# Allegro board SG2042_EVB_V1_1.brd (continued)
## Routing (per net, layer and track width the routed paths; a pad name or vN(x,y) marks a point on that pad's centre or on a via; arc(x,y) is an arc through that point) (continued)
PCIE0_L0_WAKEUP_X_H: length 242.1
  TOP w0.102: v1(288.29,42.98) R2411.1 R2402.1 286.74,42.9 J2018.B11 ; v1(211.56,221.46) 209.83,219.74 R1334.2
  ART03 w0.102: v1(246.28,222.43) 245.29,221.44 243.42,221.44 242.2,222.66 212.75,222.66 v1(211.56,221.46)
  ART10 w0.102: v1(288.29,42.98) 289.23,43.92 289.23,114.64 271.91,131.96 271.91,164.49 254.43,181.97 252.8,181.97 249.25,185.51 249.25,198.61 245.67,202.2 245.67,212.01 246.28,212.62 v1(246.28,222.43)
PCIE0_L1_CLKREQ_IN_X: length 123.1
  TOP w0.089: U1.D32 140.87,131.25 140.87,133.85 140.81,133.91
  TOP w0.102: v1(197.71,190.25) 197.61,190.25 197.05,190.8 196.22,190.8 195.29,189.88 195.29,187.71 181.31,173.74 169.06,173.74 164.59,169.27 164.59,164.46 140.81,140.68 140.81,133.91 ; U814.6 199.64,218.11 v1(198.99,217.46)
  ART10 w0.102: v1(197.71,190.25) 197.26,190.7 197.26,196.6 199.44,198.78 199.44,217.02 v1(198.99,217.46)
PCIE0_L1_CLKREQ_IN_X_H: length 217.1
  TOP w0.102: R1335.2 v1(209.83,218.01) ; J2019.B12 246.1,45.9 R2404.1 R2413.1 v1(247.65,45.82)
  ART03 w0.102: v1(209.83,218.01) 210.21,217.63 212.39,217.63 213.46,218.69 243.03,218.69 v1(243.59,219.25)
  ART10 w0.102: v1(247.65,45.82) 250.85,49.02 250.85,118.54 244.25,125.15 244.25,215.35 243.18,216.42 243.18,218.85 v1(243.59,219.25)
PCIE0_L1_RESET_X: length 382.2
  TOP w0.089: U1.C33 142.47,132.08 141.87,132.68 141.87,133.85 141.81,133.91
  TOP w0.102: v1(198.13,221.37) 198.13,219.6 198.96,218.77 U814.5 ; v1(195.88,189.38) 196.27,189 196.27,187.83 181.57,173.13 169.32,173.13 165.2,169.02 165.2,164.21 141.81,140.82 141.81,133.91 ; R2280.2 v1(17.09,137.34)
  ART10 w0.102: v1(17.09,137.34) 17.68,137.92 17.68,153.11 17.96,153.39 17.96,175.02 18.08,175.14 18.08,178.34 28.01,188.27 28.84,188.27 37.87,197.3 37.87,210.45 38.46,211.03 v1(38.46,211.86) ; v1(198.13,221.37) 197.94,221.18 197.94,198.43 195.88,196.38 v1(195.88,189.38)
  BOTTOM w0.102: v1(198.13,221.37) 197.73,221.77 175.4,221.77 167.94,214.3 106.74,214.3 105.24,212.8 48.61,212.8 46.7,214.71 42.99,214.71 40.14,211.86 v1(38.46,211.86)
PCIE0_L1_RESET_X_H: length 231.4
  TOP w0.102: R1312.2 209.83,218.87 v1(210.69,218.01) ; v1(233.53,43.1) R2412.1 R2403.1 234.77,43.71 235.59,42.9 J2019.A11
  ART03 w0.102: v1(210.69,218.01) 210.85,217.86 212.32,217.86 213.36,218.9 242.62,218.9 v1(242.98,219.25)
  ART10 w0.102: v1(233.53,43.1) 234.52,43.1 236.92,45.5 246.32,45.5 250.65,49.83 250.65,118.46 244.04,125.06 244.04,215.26 242.98,216.33 v1(242.98,219.25)
PCIE0_L1_WAKEUP_X: length 335.6
  TOP w0.102: U1.F30 v1(139.97,129.15) ; T33.1 15.64,192.31 U2011.5 v1(15.64,189.6)
  ART03 w0.102: v1(200.25,222.43) 199.62,223.06 175.84,223.06 168.42,215.65 114.75,215.65 113.43,216.97 105.22,216.97 103.9,215.65 88.5,215.65 87.94,216.2 80.38,216.2 79.77,215.6 41.3,215.6 37.97,212.27 v1(36.86,212.27)
  ART10 w0.102: v1(200.25,222.43) 200.3,222.38 200.3,199.36 198.2,197.25 198.2,187.35 v1(194.67,183.82) ; v1(15.64,189.6) 16.04,189.2 20.68,189.2 21.72,190.25 29.09,190.25 36.65,197.81 36.65,211.53 36.86,211.73 v1(36.86,212.27)
  BOTTOM w0.102: v1(194.67,183.82) 189.82,183.82 173.97,167.97 171.15,167.97 140.74,137.56 140.74,129.92 v1(139.97,129.15)
PCIE0_L1_WAKEUP_X_H: length 444.2
  TOP w0.102: J2019.B11 246.1,42.9 R2405.1 R2414.1 v1(247.65,42.98) ; R2399.2 v1(15.75,181.99)
  ART03 w0.102: v1(243.84,222.43) 242.8,223.47 175.67,223.47 168.25,216.05 114.92,216.05 113.6,217.37 105.05,217.37 103.73,216.05 88.67,216.05 88.11,216.61 80.21,216.61 79.6,216 41.13,216 38.21,213.08 v1(37.67,213.08)
  ART10 w0.102: v1(243.84,222.43) 244.07,222.2 244.07,215.87 244.45,215.49 244.45,125.23 251.05,118.63 251.05,46.38 v1(247.65,42.98) ; v1(15.75,181.99) 22.33,188.57 23.52,188.57 24.79,189.84 29.26,189.84 37.06,197.64 37.06,211.36 37.67,211.97 v1(37.67,213.08)
PCIE0_REXT: length 43.4
  TOP w0.102: U1.J29 v1(138.97,126.15)
  BOTTOM w0.102: 158.17,160.91 158.17,155.99 139.59,137.42 139.59,126.77 v1(138.97,126.15)
PCIE0_RXM[0]: length 189.6
  TOP w0.381: v1(275.97,50.7) 276.16,50.9 J2018.A17
  ART10 w0.112: v1(138.47,79.65) 139.07,79.05 139.07,76.75 139.14,76.67 139.14,76.65
  ART10 w0.147: v1(275.97,50.7) 275.83,50.57 274.31,50.57 274,50.26 arc(273.83,50.19) 273.67,50.26 arc(273.51,50.33) 273.34,50.26 273.25,50.17 arc(273.19,50.01) 273.25,49.84 arc(273.32,49.68) 273.25,49.52 270.39,46.65 270.39,43.24 247.99,20.84 177.83,20.84 168.55,30.12 168.55,32.25 140.91,59.89 140.91,60.97 139.14,62.74 139.14,76.65
PCIE0_RXM[1]: length 193.1
  TOP w0.381: J2018.A22 276.16,55.9 v1(275.97,55.7)
  ART10 w0.112: v1(139.47,81.65) 140.07,81.05 140.07,76.75 140.14,76.67 140.14,76.65
  ART10 w0.147: 140.14,76.65 140.14,63.47 142.13,61.48 142.13,60.4 169.78,32.75 169.78,30.62 178.34,22.06 247.48,22.06 269.16,43.74 269.16,50.42 273.25,54.52 arc(273.32,54.68) 273.25,54.84 arc(273.19,55.01) 273.25,55.17 273.34,55.26 arc(273.51,55.33) 273.67,55.26 arc(273.83,55.19) 274,55.26 274.31,55.57 275.83,55.57 v1(275.97,55.7)
PCIE0_RXM[2]: length 191.7
  TOP w0.381: v1(275.97,59.7) 276.16,59.9 J2018.A26
  ART10 w0.112: v1(140.47,79.65) 141.07,79.05 141.07,76.75 141.14,76.67 141.14,76.65
  ART10 w0.147: 141.14,76.65 141.14,64.21 143.36,61.99 143.36,60.91 171.01,33.26 171.01,31.13 178.85,23.29 246.97,23.29 267.93,44.25 267.93,53.2 273.25,58.52 arc(273.32,58.68) 273.25,58.84 arc(273.19,59.01) 273.25,59.17 273.34,59.26 arc(273.51,59.33) 273.67,59.26 arc(273.83,59.19) 274,59.26 274.31,59.57 275.83,59.57 v1(275.97,59.7)
PCIE0_RXM[3]: length 194.2
  TOP w0.381: J2018.A30 276.16,63.9 v1(275.97,63.7)
  ART10 w0.112: 142.14,76.65 142.14,76.67 142.07,76.75 142.07,81.05 v1(141.47,81.65)
  ART10 w0.147: v1(275.97,63.7) 275.83,63.57 274.31,63.57 274,63.26 arc(273.83,63.19) 273.67,63.26 arc(273.51,63.33) 273.34,63.26 273.25,63.17 arc(273.19,63.01) 273.25,62.84 arc(273.32,62.68) 273.25,62.52 266.71,55.97 266.71,44.76 246.46,24.52 179.35,24.52 172.23,31.64 172.23,33.77 144.59,61.42 144.59,62.5 142.14,64.94 142.14,76.65
PCIE0_RXM[4]: length 194.1
  TOP w0.381: v1(275.97,69.7) 276.16,69.9 J2018.A36
  ART10 w0.112: 143.14,76.65 143.14,76.67 143.07,76.75 143.07,79.05 v1(142.47,79.65)
  ART10 w0.147: 143.14,76.65 143.14,65.68 145.81,63.01 145.81,61.93 173.46,34.28 173.46,32.15 179.86,25.75 244.91,25.75 265.48,46.31 265.48,60.74 273.25,68.52 arc(273.32,68.68) 273.25,68.84 arc(273.19,69.01) 273.25,69.17 273.34,69.26 arc(273.51,69.33) 273.67,69.26 arc(273.83,69.19) 274,69.26 274.31,69.57 275.83,69.57 v1(275.97,69.7)
PCIE0_RXM[5]: length 196.7
  TOP w0.381: v1(275.97,73.7) 276.16,73.9 J2018.A40
  ART10 w0.112: 144.14,76.65 144.14,76.67 144.07,76.75 144.07,81.05 v1(143.47,81.65)
  ART10 w0.147: 144.14,76.65 144.14,66.41 147.04,63.52 147.04,62.43 174.69,34.79 174.69,32.66 180.37,26.97 244.4,26.97 264.25,46.82 264.25,63.51 273.25,72.52 arc(273.32,72.68) 273.25,72.84 arc(273.19,73.01) 273.25,73.17 273.34,73.26 arc(273.51,73.33) 273.67,73.26 arc(273.83,73.19) 274,73.26 274.31,73.57 275.83,73.57 v1(275.97,73.7)
PCIE0_RXM[6]: length 195.2
  TOP w0.381: v1(275.97,77.7) 276.16,77.9 J2018.A44
  ART10 w0.112: 145.14,76.65 145.14,76.67 145.07,76.75 145.07,79.05 v1(144.47,79.65)
  ART10 w0.147: v1(275.97,77.7) 275.83,77.57 274.31,77.57 274,77.26 arc(273.83,77.19) 273.67,77.26 arc(273.51,77.33) 273.34,77.26 273.25,77.17 arc(273.19,77.01) 273.25,76.84 arc(273.32,76.68) 273.25,76.52 263.02,66.29 263.02,47.33 243.9,28.2 180.88,28.2 175.91,33.17 175.91,35.3 148.27,62.94 148.27,64.03 145.14,67.15 145.14,76.65
PCIE0_RXM[7]: length 197.7
  TOP w0.381: J2018.A48 276.16,81.9 v1(275.97,81.7)
  ART10 w0.112: 146.14,76.65 146.14,76.67 146.07,76.75 146.07,81.05 v1(145.47,81.65)
  ART10 w0.147: 146.14,76.65 146.14,67.88 149.49,64.53 149.49,63.45 177.14,35.81 177.14,33.67 181.39,29.43 243.39,29.43 261.8,47.84 261.8,69.06 273.25,80.52 arc(273.32,80.68) 273.25,80.84 arc(273.19,81.01) 273.25,81.17 273.34,81.26 arc(273.51,81.33) 273.67,81.26 arc(273.83,81.19) 274,81.26 274.31,81.57 275.83,81.57 v1(275.97,81.7)
PCIE0_RXM[8]: length 131.6
  TOP w0.381: v1(235.33,50.7) 235.52,50.9 J2019.A17
  ART10 w0.112: 148.14,76.65 148.14,76.66 148.07,76.74 148.07,81.05 v1(147.47,81.65)
  ART10 w0.147: 148.14,76.65 148.14,69.29 151.9,65.53 151.9,64.45 185.7,30.65 222.02,30.65 232.25,40.88 232.25,49.15 232.61,49.52 arc(232.68,49.68) 232.61,49.84 arc(232.55,50.01) 232.61,50.17 232.7,50.26 arc(232.87,50.33) 233.03,50.26 arc(233.19,50.19) 233.36,50.26 233.67,50.57 235.19,50.57 v1(235.33,50.7)
PCIE0_RXM[9]: length 131.1
  TOP w0.381: v1(235.33,55.7) 235.52,55.9 J2019.A22
  ART10 w0.112: v1(148.47,79.65) 149.07,79.05 149.07,76.75 149.14,76.67 149.14,76.65
  ART10 w0.147: 149.14,76.65 149.14,70.03 153.13,66.04 153.13,64.96 186.21,31.88 221.51,31.88 231.02,41.39 231.02,52.92 232.61,54.52 arc(232.68,54.68) 232.61,54.84 arc(232.55,55.01) 232.61,55.17 232.7,55.26 arc(232.87,55.33) 233.03,55.26 arc(233.19,55.19) 233.36,55.26 233.67,55.57 235.19,55.57 v1(235.33,55.7)
PCIE0_RXM[10]: length 133.6
  TOP w0.381: J2019.A26 235.52,59.9 v1(235.33,59.7)
  ART10 w0.112: v1(149.47,81.65) 150.07,81.05 150.07,76.74 150.14,76.66 150.14,76.65
  ART10 w0.147: v1(235.33,59.7) 235.19,59.57 233.67,59.57 233.36,59.26 arc(233.19,59.19) 233.03,59.26 arc(232.87,59.33) 232.7,59.26 232.61,59.17 arc(232.55,59.01) 232.61,58.84 arc(232.68,58.68) 232.61,58.52 229.79,55.7 229.79,41.89 221.01,33.11 186.72,33.11 154.36,65.47 154.36,66.55 150.14,70.76 150.14,76.65
PCIE0_RXM[11]: length 132.2
  TOP w0.381: v1(235.33,63.7) 235.52,63.9 J2019.A30
  ART10 w0.112: v1(150.47,79.65) 151.07,79.05 151.07,76.74 151.14,76.66 151.14,76.65
  ART10 w0.147: 151.14,76.65 151.14,71.5 155.58,67.06 155.58,65.97 187.22,34.33 220.5,34.33 228.57,42.4 228.57,58.47 232.61,62.52 arc(232.68,62.68) 232.61,62.84 arc(232.55,63.01) 232.61,63.17 232.7,63.26 arc(232.87,63.33) 233.03,63.26 arc(233.19,63.19) 233.36,63.26 233.67,63.57 235.19,63.57 v1(235.33,63.7)
PCIE0_RXM[12]: length 136.7
  TOP w0.381: v1(235.33,69.7) 235.52,69.9 J2019.A36
  ART10 w0.112: v1(151.47,81.65) 152.07,81.05 152.07,76.74 152.14,76.66 152.14,76.65
  ART10 w0.147: v1(235.33,69.7) 235.19,69.57 233.67,69.57 233.36,69.26 arc(233.19,69.19) 233.03,69.26 arc(232.87,69.33) 232.7,69.26 232.61,69.17 arc(232.55,69.01) 232.61,68.84 arc(232.68,68.68) 232.61,68.52 227.34,63.24 227.34,42.91 219.99,35.56 187.73,35.56 156.81,66.48 156.81,67.57 152.14,72.23 152.14,76.65
PCIE0_RXM[13]: length 135.3
  TOP w0.381: v1(235.33,73.7) 235.52,73.9 J2019.A40
  ART10 w0.112: 153.14,76.65 153.14,76.66 153.07,76.74 153.07,79.05 v1(152.47,79.65)
  ART10 w0.147: v1(235.33,73.7) 235.19,73.57 233.67,73.57 233.36,73.26 arc(233.19,73.19) 233.03,73.26 arc(232.87,73.33) 232.7,73.26 232.61,73.17 arc(232.55,73.01) 232.61,72.84 arc(232.68,72.68) 232.61,72.52 226.11,66.02 226.11,43.42 219.48,36.79 210.61,36.79 208.27,39.13 185.9,39.13 158.04,66.99 158.04,68.08 153.14,72.97 153.14,76.65
PCIE0_RXM[14]: length 137.8
  TOP w0.381: J2019.A44 235.52,77.9 v1(235.33,77.7)
  ART10 w0.112: 154.14,76.65 154.14,76.66 154.07,76.74 154.07,81.05 v1(153.47,81.65)
  ART10 w0.147: 154.14,76.65 154.14,73.7 159.26,68.58 159.26,67.5 186.41,40.35 208.78,40.35 209.96,39.17 212.85,39.17 214.01,38.01 218.97,38.01 224.89,43.93 224.89,68.79 232.61,76.52 arc(232.68,76.68) 232.61,76.84 arc(232.55,77.01) 232.61,77.17 232.7,77.26 arc(232.87,77.33) 233.03,77.26 arc(233.19,77.19) 233.36,77.26 233.67,77.57 235.19,77.57 v1(235.33,77.7)
PCIE0_RXM[15]: length 136.3
  TOP w0.381: v1(235.33,81.7) 235.52,81.9 J2019.A48
  ART10 w0.112: v1(154.47,79.65) 155.07,79.05 155.07,76.74 155.14,76.66 155.14,76.65
  ART10 w0.147: v1(235.33,81.7) 235.19,81.57 233.67,81.57 233.36,81.26 arc(233.19,81.19) 233.03,81.26 arc(232.87,81.33) 232.7,81.26 232.61,81.17 arc(232.55,81.01) 232.61,80.84 arc(232.68,80.68) 232.61,80.52 223.66,71.56 223.66,44.44 218.46,39.24 214.74,39.24 212.85,41.13 209.74,41.13 209.03,41.83 186.66,41.83 160.49,68.01 160.49,69.09 155.14,74.44 155.14,76.65
PCIE0_RXP[0]: length 189.6
  TOP w0.381: v1(275.97,50.09) 276.16,49.9 J2018.A16
  ART10 w0.112: v1(138.47,78.65) 138.42,78.7 138.42,78.99 138.53,79.1 138.75,79.1 138.88,78.97 138.88,76.75 138.8,76.67 138.8,76.65
  ART10 w0.147: 138.8,76.65 138.8,62.59 140.56,60.83 140.56,59.75 168.21,32.1 168.21,29.97 177.69,20.5 248.13,20.5 270.73,43.09 270.73,46.51 274.45,50.23 275.84,50.23 v1(275.97,50.09)
PCIE0_RXP[1]: length 193.2
  TOP w0.381: J2018.A21 276.16,54.9 v1(275.97,55.09)
  ART10 w0.112: 139.8,76.65 139.8,76.67 139.88,76.75 139.88,80.97 139.75,81.1 139.53,81.1 139.42,80.99 139.42,80.7 v1(139.47,80.65)
  ART10 w0.147: 139.8,76.65 139.8,63.33 141.79,61.34 141.79,60.26 169.44,32.61 169.44,30.48 178.19,21.72 247.62,21.72 269.5,43.6 269.5,50.28 274.45,55.23 275.84,55.23 v1(275.97,55.09)
PCIE0_RXP[2]: length 191.7
  TOP w0.381: J2018.A25 276.16,58.9 v1(275.97,59.09)
  ART10 w0.112: 140.8,76.65 140.8,76.67 140.88,76.75 140.88,78.97 140.75,79.1 140.53,79.1 140.42,78.99 140.42,78.7 v1(140.47,78.65)
  ART10 w0.147: v1(275.97,59.09) 275.84,59.23 274.45,59.23 268.27,53.05 268.27,44.11 247.11,22.95 178.7,22.95 170.66,30.99 170.66,33.12 143.02,60.77 143.02,61.85 140.8,64.06 140.8,76.65
PCIE0_RXP[3]: length 194.2
  TOP w0.381: v1(275.97,63.09) 276.16,62.9 J2018.A29
  ART10 w0.112: 141.8,76.65 141.8,76.67 141.88,76.75 141.88,80.97 141.75,81.1 141.53,81.1 141.42,80.99 141.42,80.7 v1(141.47,80.65)
  ART10 w0.147: 141.8,76.65 141.8,64.8 144.24,62.36 144.24,61.27 171.89,33.63 171.89,31.5 179.21,24.18 246.6,24.18 267.05,44.62 267.05,55.83 274.45,63.23 275.84,63.23 v1(275.97,63.09)
PCIE0_RXP[4]: length 194.2
  TOP w0.381: J2018.A35 276.16,68.9 v1(275.97,69.09)
  ART10 w0.112: 142.8,76.65 142.8,76.67 142.88,76.75 142.88,78.97 142.75,79.1 142.53,79.1 142.42,78.99 142.42,78.7 v1(142.47,78.65)
  ART10 w0.147: 142.8,76.65 142.8,65.54 145.47,62.87 145.47,61.78 173.12,34.14 173.12,32.01 179.72,25.4 245.05,25.4 265.82,46.17 265.82,60.6 274.45,69.23 275.84,69.23 v1(275.97,69.09)
PCIE0_RXP[5]: length 196.7
  TOP w0.381: J2018.A39 276.16,72.9 v1(275.97,73.09)
  ART10 w0.112: 143.8,76.65 143.8,76.67 143.88,76.75 143.88,80.97 143.75,81.1 143.53,81.1 143.42,80.99 143.42,80.7 v1(143.47,80.65)
  ART10 w0.147: 143.8,76.65 143.8,66.27 146.7,63.38 146.7,62.29 174.34,34.65 174.34,32.52 180.23,26.63 244.55,26.63 264.59,46.68 264.59,63.37 274.45,73.23 275.84,73.23 v1(275.97,73.09)
PCIE0_RXP[6]: length 195.2
  TOP w0.381: v1(275.97,77.09) 276.16,76.9 J2018.A43
  ART10 w0.112: 144.8,76.65 144.8,76.67 144.88,76.75 144.88,78.97 144.75,79.1 144.53,79.1 144.42,78.99 144.42,78.7 v1(144.47,78.65)
  ART10 w0.147: 144.8,76.65 144.8,67.01 147.92,63.88 147.92,62.8 175.57,35.16 175.57,33.02 180.74,27.86 244.04,27.86 263.37,47.19 263.37,66.15 274.45,77.23 275.84,77.23 v1(275.97,77.09)
PCIE0_RXP[7]: length 197.8
  TOP w0.381: v1(275.97,81.09) 276.16,80.9 J2018.A47
  ART10 w0.112: v1(145.47,80.65) 145.42,80.7 145.42,80.99 145.53,81.1 145.75,81.1 145.88,80.97 145.88,76.75 145.8,76.67 145.8,76.65
  ART10 w0.147: v1(275.97,81.09) 275.84,81.23 274.45,81.23 262.14,68.92 262.14,47.69 243.53,29.08 181.25,29.08 176.8,33.53 176.8,35.66 149.15,63.31 149.15,64.39 145.8,67.74 145.8,76.65
PCIE0_RXP[8]: length 131.6
  TOP w0.381: J2019.A16 235.52,49.9 v1(235.33,50.09)
  ART10 w0.112: v1(147.47,80.65) 147.42,80.7 147.42,80.99 147.53,81.1 147.75,81.1 147.88,80.97 147.88,76.75 147.8,76.67 147.8,76.65
  ART10 w0.147: 147.8,76.65 147.8,69.15 151.56,65.39 151.56,64.31 185.56,30.31 222.16,30.31 232.59,40.74 232.59,49.01 233.81,50.23 235.2,50.23 v1(235.33,50.09)
PCIE0_RXP[9]: length 131.2
  TOP w0.381: v1(235.33,55.09) 235.52,54.9 J2019.A21
  ART10 w0.112: v1(148.47,78.65) 148.42,78.7 148.42,78.99 148.53,79.1 148.75,79.1 148.88,78.97 148.88,76.74 148.8,76.66 148.8,76.65
  ART10 w0.147: 148.8,76.65 148.8,69.88 152.79,65.9 152.79,64.82 186.06,31.54 221.66,31.54 231.36,41.24 231.36,52.78 233.81,55.23 235.2,55.23 v1(235.33,55.09)
PCIE0_RXP[10]: length 133.7
  TOP w0.381: v1(235.33,59.09) 235.52,58.9 J2019.A25
  ART10 w0.112: v1(149.47,80.65) 149.42,80.7 149.42,80.99 149.53,81.1 149.75,81.1 149.88,80.97 149.88,76.75 149.8,76.67 149.8,76.65
  ART10 w0.147: 149.8,76.65 149.8,70.62 154.01,66.41 154.01,65.32 186.57,32.76 221.15,32.76 230.14,41.75 230.14,55.55 233.81,59.23 235.2,59.23 v1(235.33,59.09)
PCIE0_RXP[11]: length 132.2
  TOP w0.381: J2019.A29 235.52,62.9 v1(235.33,63.09)
  ART10 w0.112: v1(150.47,78.65) 150.42,78.7 150.42,78.99 150.53,79.1 150.75,79.1 150.88,78.97 150.88,76.75 150.8,76.67 150.8,76.65
  ART10 w0.147: 150.8,76.65 150.8,71.35 155.24,66.92 155.24,65.83 187.08,33.99 220.64,33.99 228.91,42.26 228.91,58.33 233.81,63.23 235.2,63.23 v1(235.33,63.09)
PCIE0_RXP[12]: length 136.8
  TOP w0.381: J2019.A35 235.52,68.9 v1(235.33,69.09)
  ART10 w0.112: v1(151.47,80.65) 151.42,80.7 151.42,80.99 151.53,81.1 151.75,81.1 151.88,80.97 151.88,76.75 151.8,76.67 151.8,76.65
  ART10 w0.147: 151.8,76.65 151.8,72.09 156.47,67.42 156.47,66.34 187.59,35.22 220.13,35.22 227.68,42.77 227.68,63.1 233.81,69.23 235.2,69.23 v1(235.33,69.09)
PCIE0_RXP[13]: length 135.3
  TOP w0.381: J2019.A39 235.52,72.9 v1(235.33,73.09)
  ART10 w0.112: v1(152.47,78.65) 152.42,78.7 152.42,78.99 152.53,79.1 152.75,79.1 152.88,78.97 152.88,76.75 152.8,76.67 152.8,76.65
  ART10 w0.147: v1(235.33,73.09) 235.2,73.23 233.81,73.23 226.46,65.87 226.46,43.28 219.62,36.44 210.47,36.44 208.13,38.78 185.76,38.78 157.69,66.85 157.69,67.93 152.8,72.82 152.8,76.65
PCIE0_RXP[14]: length 137.8
  TOP w0.381: v1(235.33,77.09) 235.52,76.9 J2019.A43
  ART10 w0.112: v1(153.47,80.65) 153.42,80.7 153.42,80.99 153.53,81.1 153.75,81.1 153.88,80.97 153.88,76.75 153.8,76.67 153.8,76.65
  ART10 w0.147: v1(235.33,77.09) 235.2,77.23 233.81,77.23 225.23,68.65 225.23,43.79 219.11,37.67 213.87,37.67 212.71,38.83 209.82,38.83 208.64,40.01 186.27,40.01 158.92,67.36 158.92,68.44 153.8,73.56 153.8,76.65
PCIE0_RXP[15]: length 136.4
  TOP w0.381: J2019.A47 235.52,80.9 v1(235.33,81.09)
  ART10 w0.112: 154.8,76.65 154.8,76.67 154.88,76.75 154.88,78.97 154.75,79.1 154.53,79.1 154.42,78.99 154.42,78.7 v1(154.47,78.65)
  ART10 w0.147: 154.8,76.65 154.8,74.3 160.15,68.95 160.15,67.87 186.52,41.49 208.89,41.49 209.6,40.79 212.71,40.79 214.59,38.9 218.61,38.9 224,44.3 224,71.42 233.81,81.23 235.2,81.23 v1(235.33,81.09)
PCIE0_TXM[0]: length 2.2
  TOP w0.152: J2018.B15 284.72,48.7 C382.2
PCIE0_TXM[0]_L: length 211.8
  TOP w0.254: 287.68,48.7 C382.1
  ART03 w0.112: U1.BK29 138.47,84.51 138.36,84.4 138.1,84.4 137.88,84.17 137.88,76.75 137.8,76.67 137.8,76.65
  ART03 w0.147: 137.8,76.65 137.8,63.59 140.56,60.83 140.56,59.75 169.53,30.78 169.53,29.73 178.77,20.5 248.13,20.5 270.73,43.09 270.73,48.01 275.45,52.73 279.85,52.73 281.85,50.73 286.28,50.73 arc(286.44,50.66) 286.51,50.5 286.51,50.49 arc(286.58,50.33) 286.74,50.26 286.87,50.26 arc(287.03,50.33) 287.1,50.49 287.1,50.5 arc(287.17,50.66) 287.33,50.73 288.02,50.73 288.4,50.35 288.4,48.79 288.19,48.57 287.82,48.57 287.68,48.7
PCIE0_TXM[1]: length 2.2
  TOP w0.152: J2018.B20 284.72,53.7 C387.2
PCIE0_TXM[1]_L: length 214.4
  TOP w0.254: 287.68,53.7 C387.1
  ART03 w0.112: U1.BH30 139.47,86.51 139.36,86.4 139.1,86.4 138.88,86.17 138.88,76.75 138.8,76.67 138.8,76.65
  ART03 w0.147: 138.8,76.65 138.8,64.33 141.79,61.34 141.79,60.26 170.78,31.27 170.78,30.21 179.27,21.72 247.62,21.72 269.5,43.6 269.5,51.28 275.45,57.23 279.85,57.23 281.85,55.23 286.28,55.23 arc(286.44,55.16) 286.51,55 286.51,54.99 arc(286.58,54.83) 286.74,54.76 286.87,54.76 arc(287.03,54.83) 287.1,54.99 287.1,55 arc(287.17,55.16) 287.33,55.23 288.02,55.23 288.4,54.85 288.4,53.79 288.19,53.57 287.82,53.57 287.68,53.7
PCIE0_TXM[2]: length 2.2
  TOP w0.152: C391.2 284.72,57.7 J2018.B24
PCIE0_TXM[2]_L: length 212.9
  TOP w0.254: 287.68,57.7 C391.1
  ART03 w0.112: U1.BK31 140.47,84.51 140.36,84.4 140.1,84.4 139.88,84.17 139.88,76.75 139.8,76.67 139.8,76.65
  ART03 w0.147: 287.68,57.7 287.82,57.57 288.19,57.57 288.4,57.79 288.4,58.85 288.02,59.23 287.33,59.23 arc(287.17,59.16) 287.1,59 287.1,58.99 arc(287.03,58.83) 286.87,58.76 286.74,58.76 arc(286.58,58.83) 286.51,58.99 286.51,59 arc(286.44,59.16) 286.28,59.23 281.85,59.23 279.85,61.23 275.45,61.23 268.27,54.05 268.27,44.11 247.11,22.95 179.78,22.95 172.01,30.72 172.01,31.77 143.02,60.77 143.02,61.85 139.8,65.07 139.8,76.65
PCIE0_TXM[3]: length 2.2
  TOP w0.152: C395.2 284.72,61.7 J2018.B28
PCIE0_TXM[3]_L: length 217.5
  TOP w0.254: 287.68,61.7 C395.1
  ART03 w0.112: 140.8,76.65 140.8,76.67 140.88,76.75 140.88,86.17 141.1,86.4 141.36,86.4 141.47,86.51 U1.BH32
  ART03 w0.147: 287.68,61.7 287.82,61.57 288.19,61.57 288.4,61.79 288.4,63.85 288.02,64.23 287.33,64.23 arc(287.17,64.16) 287.1,64 287.1,63.99 arc(287.03,63.83) 286.87,63.76 286.74,63.76 arc(286.58,63.83) 286.51,63.99 286.51,64 arc(286.44,64.16) 286.28,64.23 281.85,64.23 279.85,66.23 275.45,66.23 267.05,57.83 267.05,44.62 246.6,24.18 180.29,24.18 173.24,31.23 173.24,32.28 144.24,61.27 144.24,62.36 140.8,65.8 140.8,76.65
PCIE0_TXM[4]: length 2.2
  TOP w0.152: C399.2 284.72,67.7 J2018.B34
PCIE0_TXM[4]_L: length 215.4
  TOP w0.254: 287.68,67.7 C399.1
  ART03 w0.112: U1.BK33 142.47,84.51 142.36,84.4 142.1,84.4 141.88,84.17 141.88,76.75 141.8,76.67 141.8,76.65
  ART03 w0.147: 287.68,67.7 287.82,67.57 288.19,67.57 288.4,67.79 288.4,68.85 288.02,69.23 287.33,69.23 arc(287.17,69.16) 287.1,69 287.1,68.99 arc(287.03,68.83) 286.87,68.76 286.74,68.76 arc(286.58,68.83) 286.51,68.99 286.51,69 arc(286.44,69.16) 286.28,69.23 281.85,69.23 279.85,71.23 275.45,71.23 265.82,61.6 265.82,46.17 245.05,25.4 180.8,25.4 174.46,31.74 174.46,32.79 145.47,61.78 145.47,62.87 141.8,66.54 141.8,76.65
PCIE0_TXM[5]: length 2.2
  TOP w0.152: C403.2 284.72,71.7 J2018.B38
PCIE0_TXM[5]_L: length 217.9
  TOP w0.254: 287.68,71.7 C403.1
  ART03 w0.112: U1.BH34 143.47,86.51 143.36,86.4 143.1,86.4 142.88,86.17 142.88,76.75 142.8,76.67 142.8,76.65
  ART03 w0.147: 142.8,76.65 142.8,67.27 146.7,63.38 146.7,62.29 175.69,33.3 175.69,32.25 181.31,26.63 244.55,26.63 264.59,46.68 264.59,64.37 275.45,75.23 279.85,75.23 281.85,73.23 286.28,73.23 arc(286.44,73.16) 286.51,73 286.51,72.99 arc(286.58,72.83) 286.74,72.76 286.87,72.76 arc(287.03,72.83) 287.1,72.99 287.1,73 arc(287.17,73.16) 287.33,73.23 288.02,73.23 288.4,72.85 288.4,71.79 288.19,71.57 287.82,71.57 287.68,71.7
PCIE0_TXM[6]: length 2.2
  TOP w0.152: C407.2 284.72,75.7 J2018.B42
PCIE0_TXM[6]_L: length 216.4
  TOP w0.254: 287.68,75.7 C407.1
  ART03 w0.112: 143.8,76.65 143.8,76.67 143.88,76.75 143.88,84.17 144.1,84.4 144.36,84.4 144.47,84.51 U1.BK35
  ART03 w0.147: 143.8,76.65 143.8,68.01 147.92,63.88 147.92,62.8 176.92,33.81 176.92,32.76 181.82,27.86 244.04,27.86 263.37,47.19 263.37,67.15 275.45,79.23 279.85,79.23 281.85,77.23 286.28,77.23 arc(286.44,77.16) 286.51,77 arc(286.58,76.83) 286.74,76.76 286.87,76.76 arc(287.03,76.83) 287.1,77 arc(287.17,77.16) 287.33,77.23 288.02,77.23 288.4,76.85 288.4,75.79 288.19,75.57 287.82,75.57 287.68,75.7
PCIE0_TXM[7]: length 2.2
  TOP w0.152: C411.2 284.72,79.7 J2018.B46
PCIE0_TXM[7]_L: length 220
  TOP w0.254: 287.68,79.7 C411.1
  ART03 w0.112: 144.8,76.65 144.8,76.67 144.88,76.75 144.88,86.17 145.1,86.4 145.36,86.4 145.47,86.51 U1.BH36
  ART03 w0.147: 144.8,76.65 144.8,68.74 149.15,64.39 149.15,63.31 178.14,34.32 178.14,33.27 182.33,29.08 243.53,29.08 262.14,47.69 262.14,70.42 275.45,83.73 279.85,83.73 281.85,81.73 286.28,81.73 arc(286.44,81.66) 286.51,81.5 286.51,81.49 arc(286.58,81.33) 286.74,81.26 286.87,81.26 arc(287.03,81.33) 287.1,81.49 287.1,81.5 arc(287.17,81.66) 287.33,81.73 288.02,81.73 288.4,81.35 288.4,79.79 288.19,79.57 287.82,79.57 287.68,79.7
PCIE0_TXM[8]: length 2.2
  TOP w0.152: J2019.B15 244.08,48.7 C415.2
PCIE0_TXM[8]_L: length 154.5
  TOP w0.254: 247.04,48.7 C415.1
  ART03 w0.112: 146.8,76.65 146.8,76.67 146.88,76.75 146.88,86.17 147.1,86.4 147.36,86.4 147.47,86.51 U1.BH38
  ART03 w0.147: 247.04,48.7 247.18,48.57 247.55,48.57 247.76,48.79 247.76,50.35 247.38,50.73 246.69,50.73 arc(246.53,50.66) 246.46,50.5 246.46,50.49 arc(246.39,50.33) 246.23,50.26 246.1,50.26 arc(245.94,50.33) 245.87,50.49 245.87,50.5 arc(245.8,50.66) 245.64,50.73 241.21,50.73 239.21,52.73 234.81,52.73 232.59,50.51 232.59,40.74 222.16,30.31 185.56,30.31 151.56,64.31 151.56,65.39 146.8,70.15 146.8,76.65
PCIE0_TXM[9]: length 2.2
  TOP w0.152: C419.2 244.08,53.7 J2019.B20
PCIE0_TXM[9]_L: length 153
  TOP w0.254: 247.04,53.7 C419.1
  ART03 w0.112: U1.BK39 148.47,84.51 148.36,84.4 148.1,84.4 147.88,84.17 147.88,76.75 147.8,76.67 147.8,76.65
  ART03 w0.147: 147.8,76.65 147.8,70.88 152.79,65.9 152.79,64.82 186.06,31.54 221.66,31.54 231.36,41.24 231.36,53.78 234.81,57.23 239.21,57.23 241.21,55.23 245.64,55.23 arc(245.8,55.16) 245.87,55 245.87,54.99 arc(245.94,54.83) 246.1,54.76 246.23,54.76 arc(246.39,54.83) 246.46,54.99 246.46,55 arc(246.53,55.16) 246.69,55.23 247.38,55.23 247.76,54.85 247.76,53.79 247.55,53.57 247.18,53.57 247.04,53.7
PCIE0_TXM[10]: length 2.2
  TOP w0.152: C423.2 244.08,57.7 J2019.B24
PCIE0_TXM[10]_L: length 155.5
  TOP w0.254: 247.04,57.7 C423.1
  ART03 w0.112: U1.BH40 149.47,86.51 149.36,86.4 149.1,86.4 148.88,86.17 148.88,76.75 148.8,76.67 148.8,76.65
  ART03 w0.147: 247.04,57.7 247.18,57.57 247.55,57.57 247.76,57.79 247.76,58.85 247.38,59.23 246.69,59.23 arc(246.53,59.16) 246.46,59 246.46,58.99 arc(246.39,58.83) 246.23,58.76 246.1,58.76 arc(245.94,58.83) 245.87,58.99 245.87,59 arc(245.8,59.16) 245.64,59.23 241.21,59.23 239.21,61.23 234.81,61.23 230.14,56.56 230.14,41.75 221.15,32.76 186.57,32.76 154.01,65.32 154.01,66.41 148.8,71.62 148.8,76.65